# KiCad board GalaxySparkles.kicad_pcb (continued)
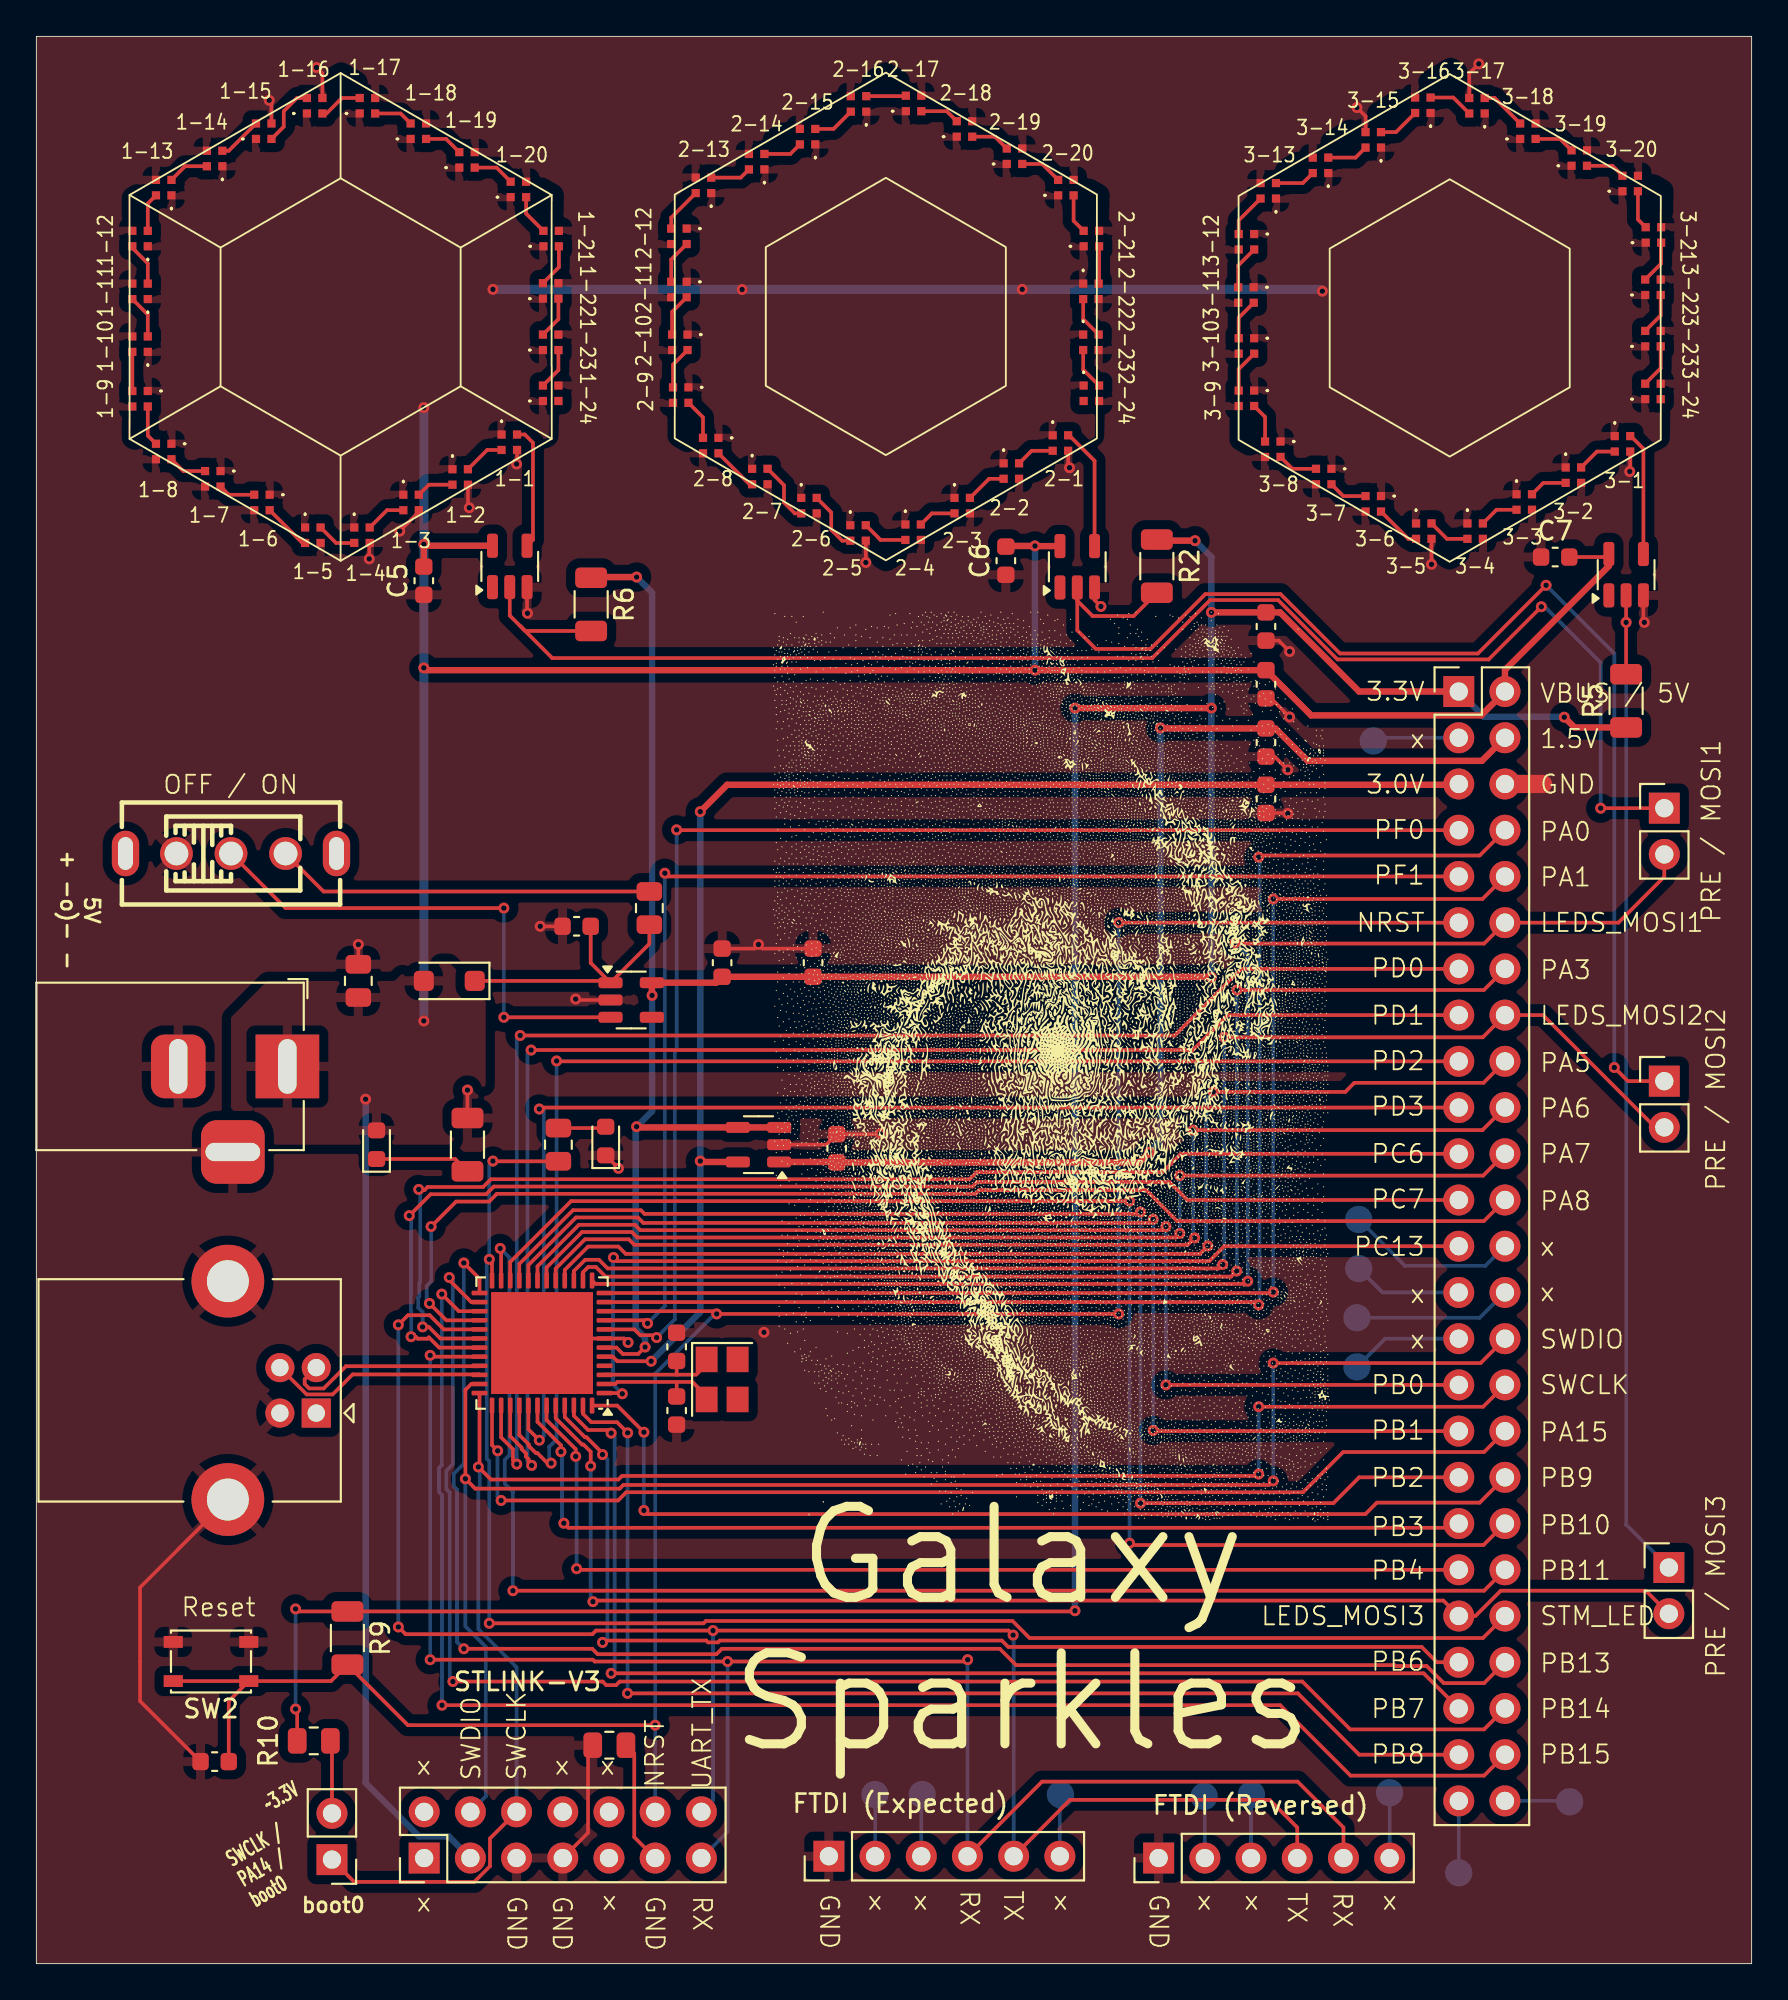
[diagram p0: board, top side]
## Nets
+1V5: C4.2 C15.2 J3.4 U6.1
+3.3V: C2.2 C9.2 C10.2 J3.1 R2.1 R5.1 R6.1 R9.1 R10.2 U1.6 U4.5 U6.3 U6.4
+3V0: C1.2 J3.5 U1.5 U6.5
GND: C1.1 C2.1 C3.2 C4.1 C5.1 C6.1 C7.1 C8.1 C9.1 C10.1 C12.1 C13.1 C14.2 C15.1 D5.1 J1.2 J1.3 J2.5 J2.7 J3.6 J4.4 J4.5 J5.1 J6.1 LED1-1.3 LED1-2.3 LED1-3.3 LED1-4.3 LED1-5.3 LED1-6.3 LED1-7.3 LED1-8.3 LED1-9.3 LED1-10.3 LED1-11.3 LED1-12.3 LED1-13.3 LED1-14.3 LED1-15.3 LED1-16.3 LED1-17.3 LED1-18.3 LED1-19.3 LED1-20.3 LED1-21.3 LED1-22.3 LED1-23.3 LED1-24.3 LED2-1.3 LED2-2.3 LED2-3.3 LED2-4.3 LED2-5.3 LED2-6.3 LED2-7.3 LED2-8.3 LED2-9.3 LED2-10.3 LED2-11.3 LED2-12.3 LED2-13.3 LED2-14.3 LED2-15.3 LED2-16.3 LED2-17.3 LED2-18.3 LED2-19.3 LED2-20.3 LED2-21.3 LED2-22.3 LED2-23.3 LED2-24.3 LED3-1.3 LED3-2.3 LED3-3.3 LED3-4.3 LED3-5.3 LED3-6.3 LED3-7.3 LED3-8.3 LED3-9.3 LED3-10.3 LED3-11.3 LED3-12.3 LED3-13.3 LED3-14.3 LED3-15.3 LED3-16.3 LED3-17.3 LED3-18.3 LED3-19.3 LED3-20.3 LED3-21.3 LED3-22.3 LED3-23.3 LED3-24.3 R1.2 R3.1 R8.2 SW1.1 SW2.2 U1.7 U1.49 U2.3 U3.3 U4.2 U5.3 U6.2
VBAT: U1.4
VBUS: C3.1 C5.2 C6.2 C7.2 D1.2 D3.2 J1.1 J2.3 J3.2 LED1-1.1 LED1-2.1 LED1-3.1 LED1-4.1 LED1-5.1 LED1-6.1 LED1-7.1 LED1-8.1 LED1-9.1 LED1-10.1 LED1-11.1 LED1-12.1 LED1-13.1 LED1-14.1 LED1-15.1 LED1-16.1 LED1-17.1 LED1-18.1 LED1-19.1 LED1-20.1 LED1-21.1 LED1-22.1 LED1-23.1 LED1-24.1 LED2-1.1 LED2-2.1 LED2-3.1 LED2-4.1 LED2-5.1 LED2-6.1 LED2-7.1 LED2-8.1 LED2-9.1 LED2-10.1 LED2-11.1 LED2-12.1 LED2-13.1 LED2-14.1 LED2-15.1 LED2-16.1 LED2-17.1 LED2-18.1 LED2-19.1 LED2-20.1 LED2-21.1 LED2-22.1 LED2-23.1 LED2-24.1 LED3-1.1 LED3-2.1 LED3-3.1 LED3-4.1 LED3-5.1 LED3-6.1 LED3-7.1 LED3-8.1 LED3-9.1 LED3-10.1 LED3-11.1 LED3-12.1 LED3-13.1 LED3-14.1 LED3-15.1 LED3-16.1 LED3-17.1 LED3-18.1 LED3-19.1 LED3-20.1 LED3-21.1 LED3-22.1 LED3-23.1 LED3-24.1 R3.2 U2.5 U3.5 U5.5
/LEDS_MOSI1: J7.1 R6.2 U2.2
/LEDS_MOSI2: J8.1 R2.2 U3.2
/LEDS_MOSI3: J9.1 R5.2 U5.2
/NRST: C14.1 J2.12 J3.11 R9.2 SW2.1 U1.10
/PA0: J3.8 U1.11
/PA1: J3.10 U1.12
/PA3: J3.14 U1.14
/PA5: J3.18 U1.16
/PA6: J3.20 U1.17
/PA7: J3.22 U1.18
/PA8: J3.24 U1.28
/PA15: J3.34 U1.37
/PB0: J3.31 U1.19
/PB1: J3.33 U1.20
/PB2: J3.35 U1.21
/PB3: J3.37 U1.42
/PB4: J3.39 U1.43
/PB6: J3.43 U1.45
/PB7: J3.45 U1.46
/PB8: J3.47 U1.47
/PB9: J3.36 U1.48
/PB10: J3.38 U1.22
/PB11: J3.40 U1.23
/PB13: J3.44 U1.25
/PB14: J3.46 U1.26
/PB15: J3.48 U1.27
/PC6: J3.21 U1.30
/PC7: J3.23 U1.31
/PC13: J3.25 U1.1
/PD0: J3.13 U1.38
/PD1: J3.15 U1.39
/PD2: J3.17 U1.40
/PD3: J3.19 U1.41
/PF0: J3.7 U1.8
/PF1: J3.9 U1.9
/PRE_LEDS_MOSI1: J3.12 J7.2 U1.13
/PRE_LEDS_MOSI2: J3.16 J8.2 U1.15
/PRE_LEDS_MOSI3: J3.41 J9.2 U1.44
/STM_LED: J3.42 R7.2 U1.24
/STM_OSC_IN: C13.2 U1.2 Y2.2
/STM_OSC_OUT: C12.2 U1.3 Y2.1
/STM_USART1_RX: J2.13 J5.4 J6.5 U1.32
/STM_USART1_TX: J2.14 J5.5 J6.4 U1.29
/STM_USB_N: J4.2 U1.33
/STM_USB_P: J4.3 U1.34
/SWCLK: J2.6 J3.32 J10.1 U1.36
/SWDIO: J2.4 J3.30 U1.35
Net-(D1-K): D1.1 R1.1
Net-(D3-K): C8.2 D3.1 R4.2 U4.1
Net-(D5-A): D5.2 R7.1
Net-(J2-Pin_11): J2.11 R8.1
Net-(J3-Pin_3): J3.3 TP3.1
Net-(J3-Pin_26): J3.26 TP4.1
Net-(J3-Pin_27): J3.27 TP2.1
Net-(J3-Pin_28): J3.28 TP5.1
Net-(J3-Pin_29): J3.29 TP1.1
Net-(J3-Pin_49): J3.49 TP7.1
Net-(J3-Pin_50): J3.50 TP6.1
Net-(J5-Pin_2): J5.2 TP13.1
Net-(J5-Pin_3): J5.3 TP12.1
Net-(J5-Pin_6): J5.6 TP11.1
Net-(J6-Pin_2): J6.2 TP10.1
Net-(J6-Pin_3): J6.3 TP9.1
Net-(J6-Pin_6): J6.6 TP8.1
Net-(J10-Pin_2): J10.2 R10.1
Net-(LED1-1-DIN): LED1-1.2 U2.4
Net-(LED1-1-DOUT): LED1-1.4 LED1-2.2
Net-(LED1-2-DOUT): LED1-2.4 LED1-3.2
Net-(LED1-3-DOUT): LED1-3.4 LED1-4.2
Net-(LED1-4-DOUT): LED1-4.4 LED1-5.2
Net-(LED1-5-DOUT): LED1-5.4 LED1-6.2
Net-(LED1-6-DOUT): LED1-6.4 LED1-7.2
Net-(LED1-7-DOUT): LED1-7.4 LED1-8.2
Net-(LED1-8-DOUT): LED1-8.4 LED1-9.2
Net-(LED1-10-DIN): LED1-9.4 LED1-10.2
Net-(LED1-10-DOUT): LED1-10.4 LED1-11.2
Net-(LED1-11-DOUT): LED1-11.4 LED1-12.2
Net-(LED1-12-DOUT): LED1-12.4 LED1-13.2
Net-(LED1-13-DOUT): LED1-13.4 LED1-14.2
Net-(LED1-14-DOUT): LED1-14.4 LED1-15.2
Net-(LED1-15-DOUT): LED1-15.4 LED1-16.2
Net-(LED1-16-DOUT): LED1-16.4 LED1-17.2
Net-(LED1-17-DOUT): LED1-17.4 LED1-18.2
Net-(LED1-18-DOUT): LED1-18.4 LED1-19.2
Net-(LED1-19-DOUT): LED1-19.4 LED1-20.2
Net-(LED1-20-DOUT): LED1-20.4 LED1-21.2
Net-(LED1-21-DOUT): LED1-21.4 LED1-22.2
Net-(LED1-22-DOUT): LED1-22.4 LED1-23.2
Net-(LED1-23-DOUT): LED1-23.4 LED1-24.2
Net-(LED2-1-DIN): LED2-1.2 U3.4
Net-(LED2-1-DOUT): LED2-1.4 LED2-2.2
Net-(LED2-2-DOUT): LED2-2.4 LED2-3.2
Net-(LED2-3-DOUT): LED2-3.4 LED2-4.2
Net-(LED2-4-DOUT): LED2-4.4 LED2-5.2
Net-(LED2-5-DOUT): LED2-5.4 LED2-6.2
Net-(LED2-6-DOUT): LED2-6.4 LED2-7.2
Net-(LED2-7-DOUT): LED2-7.4 LED2-8.2
Net-(LED2-8-DOUT): LED2-8.4 LED2-9.2
Net-(LED2-10-DIN): LED2-9.4 LED2-10.2
Net-(LED2-10-DOUT): LED2-10.4 LED2-11.2
Net-(LED2-11-DOUT): LED2-11.4 LED2-12.2
Net-(LED2-12-DOUT): LED2-12.4 LED2-13.2
Net-(LED2-13-DOUT): LED2-13.4 LED2-14.2
Net-(LED2-14-DOUT): LED2-14.4 LED2-15.2
Net-(LED2-15-DOUT): LED2-15.4 LED2-16.2
Net-(LED2-16-DOUT): LED2-16.4 LED2-17.2
Net-(LED2-17-DOUT): LED2-17.4 LED2-18.2
Net-(LED2-18-DOUT): LED2-18.4 LED2-19.2
Net-(LED2-19-DOUT): LED2-19.4 LED2-20.2
Net-(LED2-20-DOUT): LED2-20.4 LED2-21.2
Net-(LED2-21-DOUT): LED2-21.4 LED2-22.2
Net-(LED2-22-DOUT): LED2-22.4 LED2-23.2
Net-(LED2-23-DOUT): LED2-23.4 LED2-24.2
Net-(LED3-1-DIN): LED3-1.2 U5.4
Net-(LED3-1-DOUT): LED3-1.4 LED3-2.2
Net-(LED3-2-DOUT): LED3-2.4 LED3-3.2
Net-(LED3-3-DOUT): LED3-3.4 LED3-4.2
Net-(LED3-4-DOUT): LED3-4.4 LED3-5.2
Net-(LED3-5-DOUT): LED3-5.4 LED3-6.2
Net-(LED3-6-DOUT): LED3-6.4 LED3-7.2
Net-(LED3-7-DOUT): LED3-7.4 LED3-8.2
Net-(LED3-8-DOUT): LED3-8.4 LED3-9.2
Net-(LED3-10-DIN): LED3-9.4 LED3-10.2
Net-(LED3-10-DOUT): LED3-10.4 LED3-11.2
Net-(LED3-11-DOUT): LED3-11.4 LED3-12.2
Net-(LED3-12-DOUT): LED3-12.4 LED3-13.2
Net-(LED3-13-DOUT): LED3-13.4 LED3-14.2
Net-(LED3-14-DOUT): LED3-14.4 LED3-15.2
Net-(LED3-15-DOUT): LED3-15.4 LED3-16.2
Net-(LED3-16-DOUT): LED3-16.4 LED3-17.2
Net-(LED3-17-DOUT): LED3-17.4 LED3-18.2
Net-(LED3-18-DOUT): LED3-18.4 LED3-19.2
Net-(LED3-19-DOUT): LED3-19.4 LED3-20.2
Net-(LED3-20-DOUT): LED3-20.4 LED3-21.2
Net-(LED3-21-DOUT): LED3-21.4 LED3-22.2
Net-(LED3-22-DOUT): LED3-22.4 LED3-23.2
Net-(LED3-23-DOUT): LED3-23.4 LED3-24.2
Net-(SW1-B): SW1.2 U4.3
Net-(SW1-C): R4.1 SW1.3

Pads without a net: J2 1 2 8 9 10; J4 1; LED1-24 4; LED2-24 4; LED3-24 4; SW1 4 5; U2 1; U3 1; U4 4; U5 1; Y2 3 4

## Via types
v1: diameter 0.6, hole 0.3, Front to Back, 153 vias

## Routing (per net, layer and track width the routed paths; a pad name or vN(x,y) marks a point on that pad's centre or on a via; arc(x,y) is an arc through that point)
+1V5: length 64.4
  Front w0.35: v1(61.8,67.9) 61.82,67.88 C4.2 68.12,67.88 69.9,66.09 79.47,66.09 J3.4 ; U6.1 43.97,44.05 C15.2 60.63,44.03 v1(61.2,44.59)
  Back w0.35: v1(61.2,44.59) 61.8,45.19 v1(61.8,67.9)
+3.3V: length 247
  Front w0.2: v1(14.25,13.99) 14.34,13.9 R10.2 ; U1.6 31.89,33.85 32.24,33.5 33.08,33.5 v1(33.47,33.88) ; v1(57.1,19.39) 57.06,19.35 R9.1 14.39,19.35 v1(14.25,19.49)
  Front w0.35: J3.1 72.72,69.9 68.38,74.25 C2.2 v1(64.6,74.25) ; R5.1 84.56,67.93 v1(84,68.49) ; U6.3 U6.4 33.04,45.95 v1(33,45.99) ; R6.1 30.54,76.19 v1(33,76.19) ; v1(63.7,78.19) 61.66,78.19 R2.1 ; v1(64.6,54.2) 64.57,54.23 C10.2 C9.2 37.38,53.9 U4.5 33.84,53.21 v1(33.85,53.2) ; v1(64.6,68.99) v1(57.1,68.99)
  Back w0.2: v1(14.25,13.99) v1(14.25,19.49)
  Back w0.35: v1(84,68.49) 83.98,68.51 79.59,68.51 J3.1 ; v1(64.6,54.2) v1(64.6,68.99) v1(64.6,74.25) 64.6,77.29 v1(63.7,78.19) ; v1(33,76.19) 33.85,75.34 v1(33.85,53.2) 33.85,46.84 v1(33,45.99) 32.95,45.94 32.95,34.91 33.47,34.39 v1(33.47,33.88) ; v1(57.1,68.99) v1(57.1,19.39)
+3V0: length 78.4
  Front w0.2: v1(33.8,33.1) 31.94,33.1 31.69,33.35 U1.5
  Front w0.35: J3.5 78.16,64.78 37.97,64.78 v1(36.5,63.3) ; v1(36.5,44.1) 36.55,44.05 U6.5
  Back w0.35: v1(36.5,63.3) v1(36.5,44.1) 36.5,35.8 v1(33.8,33.1)
GND: length 77.7
  Front w0.2: v1(26.4,82.4) 26.43,82.43 LED1-1.3 ; U3.3 58.18,74.92 v1(58.53,74.58) ; C2.1 68.3,72.7 v1(68.9,72.1) ; v1(32.53,34.13) 32.31,34.35 U1.7 28.05,34.35 U1.49 ; v1(29.65,53) 29.7,52.95 U4.2 ; U5.3 88.35,73.75 v1(88.4,73.7) ; LED2-5.3 v1(45.6,76.99) ; LED1-15.3 12.93,102.27 v1(12.8,102.39) ; D5.1 32,43.71 v1(32,43.7) ; v1(23.8,80) 23.72,80.08 23.72,81.27 ; v1(68.8,63.2) 68.78,63.23 C1.1 ; v1(87.6,81.99) 87.62,82.02 LED3-1.3 ; LED1-3.3 21.03,79.77 v1(19.97,78.72) ; v1(15.4,104.19) 15.72,103.87 15.72,102.52 ; 18.32,78.07 18.3,78.04 v1(18.3,77.19) ; v1(79.3,104.39) 78.78,103.87 78.78,102.52 ; v1(27,74.2) 26.98,74.22 U2.3 ; 42.7,55.78 39.93,55.78 v1(39.7,56) 39.47,55.78 37.7,55.78 ; 56.72,83.13 56.72,82.28 v1(56.8,82.2) ; C14.2 5.7,14.43 5.7,20.67 J4.5 ; C8.1 v1(27.7,57) ; U6.2 43.43,45 44,45.58 46.38,45.58 v1(46.4,45.6) ; LED3-5.3 v1(76.7,76.89) ; C3.2 67.88,69.53 v1(68.9,68.5) ; v1(68.8,65.6) 68.07,66.33 C4.1 ; LED3-15.3 73.07,101.52 v1(72.6,101.99) ; R8.2 30.33,11.74 30.33,7.19 J2.7 ; R3.1 v1(17.7,56) ; R1.2 v1(23.7,48)
  Front w1: J3.6 82.83,64.82
  Back w1: J3.6 82.83,64.82
  vias: v1(40,34.69)
VBUS: length 212.5
  Front w0.2: U5.5 86.28,77.29 C7.2
  Front w0.35: U3.5 54.91,77.89 v1(54.9,77.9) 53.34,77.9 C6.2 ; v1(21.3,71.2) 21.43,71.08 67.6,71.08 70.09,68.59 79.43,68.59 J3.2 80.74,71.09 86.45,76.8 U5.5 ; C5.2 v1(21.3,77.99) 21.38,77.91 U2.5
  Back w0.35: 38.81,92 v1(38.8,91.99) 38.79,92 ; v1(18.1,47.5) 18.1,9.93 21.04,6.99 22.67,6.99 J2.3 ; v1(54.9,77.9) v1(54.9,71.08) ; v1(70.7,91.9) 70.6,92
  Back w0.5: v1(25.1,92) 38.79,92 ; 70.6,92 v1(54.2,92) 38.81,92 ; v1(21.3,51.8) v1(21.3,71.2) v1(21.3,77.99) v1(21.3,85.5)
/LEDS_MOSI1: length 83.2
  Front w0.2: 26.6,73.5 26.03,74.07 U2.2 ; 26.6,73.5 26.87,73.23 R6.2 ; 26.6,73.5 28.36,71.74 61.34,71.74 64.53,74.93 68.27,74.93 71.53,71.66 79.84,71.66 v1(82.74,74.56) ; J7.1 v1(86,63.49)
  Back w0.2: v1(82.74,74.56) 82.93,74.56 86,71.49 v1(86,63.49)
/LEDS_MOSI2: length 69.8
  Front w0.2: v1(83,75.74) 79.25,71.99 71.67,71.99 68.4,75.25 64.26,75.25 61.25,72.24 58.25,72.24 57.23,73.26 U3.2 57.23,74.89 58.07,74.05 60.32,74.05 R2.2 ; J8.1 87.5,48.49 v1(86.75,49.24)
  Back w0.2: v1(86.75,49.24) 86.75,71.99 v1(83,75.74)
/LEDS_MOSI3: length 57.2
  Front w0.2: R5.2 v1(87.4,73.7) U5.2
  Back w0.2: J9.1 87.4,24.12 v1(87.4,73.7)
/NRST: length 130.5
  Front w0.2: C14.1 10.57,14.43 11.68,15.53 ; 11.68,15.53 16.2,15.53 R9.2 20.43,13.1 v1(34.02,13.1) ; 11.68,15.53 SW2.1 ; U1.10 37.25,35.85 v1(37.4,35.7) v1(59.5,35.7) ; v1(59.5,57.2) J3.11
  Back w0.2: v1(59.5,35.7) v1(59.5,57.2) ; v1(37.4,35.7) 37.3,35.7 34.02,32.42 v1(34.02,13.1) J2.12
/PA0: length 74.8
  Front w0.2: U1.11 67.05,36.35 v1(67.2,36.2) ; v1(67.2,60.8) 67.29,60.89 79.35,60.89 J3.8
  Back w0.2: v1(67.2,60.8) 67.25,60.75 67.25,36.25 v1(67.2,36.2)
/PA1: length 71.6
  Front w0.2: v1(68,58.5) 79.5,58.5 J3.10 ; U1.12 67.95,36.85 v1(68,36.9)
  Back w0.2: v1(68,36.9) v1(68,58.5)
/PA3: length 67.5
  Front w0.2: J3.14 79.58,53.5 v1(66,53.5) ; v1(65.99,38.06) 65.68,37.75 31.29,37.75 30.76,38.28 30.34,38.28 30.05,37.99 U1.14
  Back w0.2: v1(65.99,38.06) 66,38.07 v1(66,53.5)
/PA5: length 62.2
  Front w0.2: v1(64.7,47.9) 71.96,47.9 72.46,48.4 79.56,48.4 J3.18 ; v1(64.4,39.44) 63.97,39 32.4,39 32,39.4 30.33,39.4 29.05,38.12 U1.16
  Back w0.2: v1(64.4,39.44) 64.3,39.54 64.3,47.5 v1(64.7,47.9)
/PA6: length 60.3
  Front w0.2: v1(63.68,39.88) 63.3,39.5 32.87,39.5 32.57,39.8 30.16,39.8 28.55,38.19 U1.17 ; v1(63.6,45.8) 79.5,45.8 J3.20
  Back w0.2: v1(63.68,39.88) 63.6,39.95 v1(63.6,45.8)
/PA7: length 58.1
  Front w0.2: v1(62.86,43.3) 79.54,43.3 J3.22 ; U1.18 28.05,38.25 30,40.2 32.74,40.2 33.04,39.9 62.64,39.9 v1(62.86,40.13)
  Back w0.2: v1(62.86,40.13) v1(62.86,43.3)
/PA8: length 68.6
  Front w0.2: J3.24 79.58,40.8 62.72,40.8 61.02,42.5 51.83,42.5 51.63,42.3 25.32,42.3 24.89,41.88 23.07,41.88 v1(21.7,40.5) ; v1(21.61,36.28) 22.54,35.35 U1.28
  Back w0.2: v1(21.7,40.5) 21.7,37.48 21.46,37.24 21.46,36.43 v1(21.61,36.28)
/PA15: length 62.2
  Front w0.2: v1(25.36,28.18) 25.05,28.49 U1.37 ; J3.34 79.59,28.11 71.84,28.11 69.63,25.9 32.43,25.9 31.98,25.45 v1(25.55,25.45)
  Back w0.2: v1(25.36,28.18) 25.35,28.17 25.35,25.65 v1(25.55,25.45)
/PB0: length 61.3
  Front w0.2: v1(62.1,31.8) J3.31 ; v1(62.1,40.5) 61.9,40.3 33.2,40.3 32.9,40.6 29.83,40.6 27.55,38.32 U1.19
  Back w0.2: v1(62.1,40.5) v1(62.1,31.8)
/PB1: length 64.9
  Front w0.2: v1(61.4,40.9) 61.2,40.7 33.37,40.7 33.07,41 29.67,41 27.05,38.38 U1.20 ; v1(61.4,29.3) 61.44,29.26 J3.33
  Back w0.2: v1(61.4,40.9) v1(61.4,29.3)
/PB2: length 70.5
  Front w0.2: v1(60.7,41.3) 60.6,41.2 33.43,41.2 33.23,41.4 29.5,41.4 26.55,38.45 U1.21 ; v1(60.7,25.3) 71.31,25.3 72.72,26.72 J3.35
  Back w0.2: v1(60.7,41.3) v1(60.7,25.3)
/PB3: length 56.5
  Front w0.2: v1(29,24.2) 29.25,23.95 77.97,23.95 J3.37 ; U1.42 27.55,29.77 28.84,28.48 v1(28.84,28.13)
  Back w0.2: v1(28.84,28.13) 28.9,28.07 28.9,24.3 v1(29,24.2)
/PB4: length 58.2
  Front w0.2: J3.39 29.76,21.64 v1(29.7,21.7) ; U1.43 28.05,29.87 29.65,28.27 v1(29.65,27.87)
  Back w0.2: v1(29.7,21.7) 29.7,27.82 v1(29.65,27.87)
/PB6: length 61.8
  Front w0.2: v1(31.13,17.65) 31.23,17.75 36.83,17.75 36.93,17.65 37.47,17.65 37.57,17.75 53.08,17.75 53.43,17.4 76.16,17.4 77,16.56 J3.43 ; v1(31.12,27.97) 31.12,28.04 30.25,28.92 30.16,28.92 29.05,30.03 U1.45
  Back w0.2: v1(31.13,17.65) 31.39,17.92 31.39,27.7 v1(31.12,27.97)
/PB7: length 63.8
  Front w0.2: J3.45 76.27,15.95 v1(31.6,15.95) ; v1(31.6,29.15) 31.43,29.32 30.33,29.32 29.55,30.1 U1.46
  Back w0.2: v1(31.6,29.15) 31.79,28.96 31.79,16.14 v1(31.6,15.95)
/PB8: length 64.8
  Front w0.2: v1(32.51,29.17) 31.92,29.75 30.51,29.75 30.05,30.21 U1.47 ; J3.47 72.72,11.48 69.35,14.85 v1(32.5,14.85)
  Back w0.2: v1(32.5,14.85) 32.5,29.16 v1(32.51,29.17)
/PB9: length 56
  Front w0.2: U1.48 31.94,30.66 v1(33.4,29.2) ; J3.36 79.35,25.33 73.7,25.33 73.07,24.7 33.6,24.7 v1(33.4,24.9)
  Back w0.2: v1(33.4,29.2) v1(33.4,24.9)
/PB10: length 76.4
  Front w0.2: v1(60.1,41.9) 29.4,41.9 26.05,38.55 U1.22 ; v1(60.1,23.1) 60.2,23 79.56,23 J3.38
  Back w0.2: v1(60.1,41.9) v1(60.1,23.1)
/PB11: length 76.1
  Front w0.2: U1.23 25.55,39.25 v1(25.5,39.3) ; v1(26.2,20.49) 79.59,20.49 J3.40
  Back w0.2: v1(25.5,39.3) 26.01,38.79 26.01,27.94 25.75,27.68 25.75,26.37 26.2,25.92 v1(26.2,20.49)
/PB13: length 82.4
  Front w0.2: v1(23.5,38.5) 24.36,37.64 U1.25 ; J3.44 79.59,15.41 77.38,15.41 76.43,16.35 74.71,16.35 74.67,16.4 53.87,16.4 52.97,17.3 37.68,17.3 37.38,17 30.86,17 30.56,17.3 v1(23.5,17.3)
  Back w0.2: v1(23.5,17.3) 23.13,17.67 23.13,26.05 22.95,26.23 22.95,26.92 23.5,27.47 v1(23.5,38.5)
/PB14: length 84.5
  Front w0.2: v1(22.9,15.5) 31.13,15.5 31.33,15.3 31.87,15.3 32.07,15.5 69.6,15.5 72.23,12.87 79.59,12.87 J3.46 ; v1(22.7,37.7) 22.7,37.56 23.91,36.35 U1.26
  Back w0.2: v1(22.9,15.5) 22.73,15.67 22.73,25.89 22.54,26.08 22.54,27.08 22.9,27.44 22.9,37.5 v1(22.7,37.7)
/PB15: length 85.7
  Front w0.2: v1(22.29,36.79) 23.23,35.85 U1.27 ; v1(22.3,14.2) 68.38,14.2 72.25,10.33 79.59,10.33 J3.48
  Back w0.2: v1(22.3,14.2) 22.3,25.75 22.14,25.91 22.14,27.24 22.29,27.39 v1(22.29,36.79)
/PC6: length 69.1
  Front w0.2: U1.30 22.21,34.35 21.57,34.99 v1(21.23,34.99) ; J3.21 62.92,44.5 61.91,43.49 51.69,43.49 51.3,43.1 24.98,43.1 24.56,42.68 21.51,42.68 21.34,42.5 21.06,42.5 v1(21.02,42.54)
  Back w0.2: v1(21.23,34.99) 21.23,35.81 20.99,36.05 20.99,36.59 21.06,36.66 21.06,37.4 21.1,37.45 21.1,42.46 v1(21.02,42.54)
/PC7: length 69.6
  Front w0.2: U1.31 22.14,33.85 21.58,34.41 21.5,34.34 20.97,34.34 20.85,34.45 v1(20.6,34.45) ; v1(20.5,41.1) 21.68,42.28 24.73,42.28 25.15,42.7 51.47,42.7 51.72,42.95 62.29,42.95 63.28,41.96 J3.23
  Back w0.2: v1(20.6,34.45) 20.6,35.88 20.59,35.89 20.59,36.75 20.6,36.76 20.6,41 v1(20.5,41.1)
/PC13: length 55.6
  Front w0.2: v1(31.73,38.8) 31.93,38.6 64.49,38.6 65.31,39.42 J3.25 ; v1(32.21,31.31) 32.17,31.35 U1.1
  Back w0.2: v1(31.73,38.8) 31.7,38.77 31.7,31.82 v1(32.21,31.31)
/PD0: length 80.3
  Front w0.2: v1(26.6,51) 62.58,51 66.24,54.66 J3.13 ; U1.38 25.55,28.92 26.2,28.27 26.2,27.66 v1(26.41,27.45)
  Back w0.2: v1(26.41,27.45) 26.41,50.81 v1(26.6,51)
/PD1: length 78.6
  Front w0.2: v1(27.2,50.2) 63.58,50.2 65.5,52.12 J3.15 ; U1.39 26.05,28.98 26.68,28.36 26.68,28.27 26.92,28.03 26.92,27.86 27.06,27.72 27.06,27.55 v1(27.23,27.38)
  Back w0.2: v1(27.23,27.38) 27,27.61 27,50 v1(27.2,50.2)
/PD2: length 76
  Front w0.2: U1.40 26.55,29.05 27.08,28.52 27.08,28.44 27.46,28.06 27.54,28.06 28.1,27.5 v1(28.3,27.5) ; J3.17 28.62,49.58 v1(28.6,49.6)
  Back w0.2: v1(28.3,27.5) 28.19,27.61 28.19,28.4 28.6,28.81 v1(28.6,49.6)
/PD3: length 71.3
  Front w0.2: v1(27.65,28.76) 27.05,29.36 U1.41 ; v1(27.65,46.96) 27.73,47.04 J3.19
  Back w0.2: v1(27.65,28.76) 27.9,29.01 27.9,46.9 27.84,46.96 v1(27.65,46.96)
/PF0: length 74.4
  Front w0.2: J3.7 35.22,62.28 v1(35.2,62.3) ; U1.8 32.88,34.85 33.2,34.53 33.97,34.53 v1(34.1,34.4)
  Back w0.2: v1(35.2,62.3) 35.2,50.2 35.1,50.1 35.1,35.4 v1(34.1,34.4)
/PF1: length 71.3
  Front w0.2: v1(34.55,59.92) 34.73,59.74 J3.9 ; U1.9 33.43,35.35 v1(33.6,35.18)
  Back w0.2: v1(33.6,35.18) 34.55,36.13 v1(34.55,59.92)
/PRE_LEDS_MOSI1: length 81.4
  Front w0.2: v1(65.9,56.1) 65.95,56.05 79.59,56.05 J3.12 86.97,57.2 89.5,59.73 J7.2 ; U1.13 30.74,37.35 66.45,37.35 v1(66.6,37.5)
  Back w0.2: v1(65.9,56.1) 66.6,55.4 v1(66.6,37.5)
/PRE_LEDS_MOSI2: length 76
  Front w0.2: v1(65.22,38.42) 65,38.2 31.41,38.2 30.93,38.68 30.17,38.68 29.55,38.06 U1.15 ; v1(65.3,50.9) 79.52,50.9 J3.16 82.83,52.12 89,45.95
  Back w0.2: v1(65.22,38.42) 65.3,38.5 v1(65.3,50.9)
/PRE_LEDS_MOSI3: length 72.3
  Front w0.2: v1(30.6,19.89) 30.66,19.95 77.35,19.95 J3.41 79.11,19.1 80.5,20.49 88.49,20.49 J9.2 ; v1(30.47,27.34) 30.47,28.13 30.08,28.52 30,28.52 28.55,29.97 U1.44
  Back w0.2: v1(30.47,27.34) 30.47,20.02 v1(30.6,19.89)
/STM_LED: length 87.2
  Front w0.2: v1(24.9,18.7) 36.68,18.7 36.81,18.83 53.67,18.83 54.61,17.89 79.53,17.89 J3.42 ; v1(25.1,44.1) 25.11,44.09 R7.2 ; v1(24.9,38.7) 25.05,38.55 U1.24
  Back w0.2: v1(25.1,44.1) 24.9,43.9 v1(24.9,38.7) 24.76,38.56 24.76,27.75 24.9,27.61 v1(24.9,18.7)
/STM_OSC_IN: length 7
  Front w0.2: 35.2,31.96 31.94,31.96 31.83,31.85 U1.2 ; 35.2,31.96 36.06,31.96 36.85,31.18 Y2.2 ; 35.2,31.96 C13.2
/STM_OSC_OUT: length 6.9
  Front w0.2: Y2.1 36.85,32.94 36.27,32.36 35.2,32.36 ; U1.3 31.25,32.36 35.2,32.36 ; C12.2 35.2,32.36
/STM_USART1_RX: length 96.4
  Front w0.2: v1(51.2,16.7) 51.1,16.6 v1(38,16.6) 30.69,16.6 30.59,16.7 v1(21.65,16.7) ; J5.4 55.29,10 69.34,10 71.86,7.48 J6.5 ; U1.32 21.72,33.35 v1(21.65,33.43)
  Back w0.2: v1(51.2,16.7) 51.19,16.69 J5.4 ; J2.13 38,7.24 v1(38,16.6) ; v1(21.65,33.43) v1(21.65,16.7)
/STM_USART1_TX: length 97.3
  Front w0.2: J5.5 56.83,9 67.8,9 69.32,7.48 J6.4 ; U1.29 22.4,34.85 21.62,35.63 20.43,35.63 v1(19.9,35.1) ; v1(19.9,18.5) 20.3,18.1 30.57,18.1 30.77,18.3 v1(37.2,18.3) 53.45,18.3 v1(53.7,18.05)
  Back w0.2: v1(19.9,35.1) v1(19.9,18.5) ; v1(53.7,18.05) 53.73,18.02 J5.5 ; J2.14 37.2,8.98 v1(37.2,18.3)
/STM_USB_N: length 11.4
  Front w0.2: U1.33 24.34,32.83 17.02,32.83 15.8,31.6 15,31.6 14.75,31.85 14.75,32.11 J4.2
/STM_USB_P: length 12.1
  Front w0.2: J4.3 14.86,31.28 16.29,31.28 17.38,32.38 24.34,32.38 U1.34
/SWCLK: length 98.2
  Front w0.2: v1(67.2,30.6) 79.54,30.6 J3.32 ; U1.36 24.36,27.35 v1(24.3,27.29) 24.99,26.6 32,26.6 32.2,26.8 67.1,26.8 v1(67.2,26.9) ; J10.1 17.47,4.49 24.07,4.49 24.94,5.35 24.94,6.88 J2.6
  Back w0.2: v1(24.3,27.29) 24.38,27.21 24.38,26.23 24.3,26.15 24.3,18.38 26.4,16.28 J2.6 ; v1(67.2,26.9) v1(67.2,30.6)
/SWDIO: length 89.5
  Front w0.2: U1.35 23.91,31.85 23.59,31.52 v1(23.59,26.64) 24.13,26.1 32.07,26.1 32.27,26.3 67.78,26.3 v1(68,26.53) ; v1(68,33) 79.4,33 J3.30
  Back w0.2: v1(68,26.53) v1(68,33) ; J2.4 24.71,9.19 24.71,17.41 23.59,18.53 v1(23.59,26.64)
Net-(D1-K): length 5.3
  Front w0.2: D1.1 23.03,44.21 R1.1
Net-(D3-K): length 15.1
  Front w0.2: U4.1 31.46,54 D3.1 ; U4.1 30.47,54.99 C8.2 ; U4.1 33.7,56.04 R4.2
Net-(D5-A): length 2.6
  Front w0.2: D5.2 31.22,45.91 R7.1
Net-(J2-Pin_11): length 6.9
  Front w0.2: R8.1 32.87,11.54 32.87,6.95 J2.11
Net-(J3-Pin_3): length 4.8
  Back w0.2: J3.3 73.67,67.36 TP3.1
Net-(J3-Pin_26): length 9.5
  Back w0.2: J3.26 79.66,38.34 75.25,38.34 TP4.1
Net-(J3-Pin_27): length 6
  Back w0.2: J3.27 74.01,36.88 TP2.1
Net-(J3-Pin_28): length 8.7
  Back w0.2: J3.28 79.35,35.49 TP5.1
Net-(J3-Pin_29): length 6.2
  Back w0.2: TP1.1 74.15,34.34 J3.29
Net-(J3-Pin_49): length 3.9
  Back w0.2: J3.49 TP7.1
Net-(J3-Pin_50): length 3.6
  Back w0.2: TP6.1 84.25,8.94 J3.50
Net-(J5-Pin_2): length 3.4
  Back w0.2: TP13.1 46.11,9.28 J5.2
Net-(J5-Pin_3): length 3.4
  Back w0.2: TP12.1 48.65,9.24 J5.3
Net-(J5-Pin_6): length 3.4
  Back w0.2: J5.6 56.27,9.26 TP11.1
Net-(J6-Pin_2): length 3.4
  Back w0.2: J6.2 64.24,9.15 TP10.1
Net-(J6-Pin_3): length 3.5
  Back w0.2: TP9.1 66.78,9.27 J6.3
Net-(J6-Pin_6): length 3.6
  Back w0.2: J6.6 TP8.1
Net-(J10-Pin_2): length 4
  Front w0.2: J10.2 16.25,12.15 R10.1
Net-(LED1-1-DIN): length 6.9
  Front w0.2: U2.4 27.3,78.24 27.3,83.58 26.85,84.03 LED1-1.2
Net-(LED1-1-DOUT): length 2.3
  Front w0.2: 23.72,82.12 24.78,83.18 LED1-1.4
Net-(LED1-2-DOUT): length 2.1
  Front w0.2: LED1-3.2 21.57,81.27 LED1-2.4
Net-(LED1-3-DOUT): length 2.2
  Front w0.2: 18.32,78.92 19.28,79.87 20.18,79.87
Net-(LED1-4-DOUT): length 2.2
  Front w0.2: LED1-5.2 16.47,78.07 LED1-4.4
Net-(LED1-5-DOUT): length 2.7
  Front w0.2: 12.82,79.87 14.62,78.07 14.78,78.07
Net-(LED1-6-DOUT): length 2
  Front w0.2: LED1-6.4 10.57,80.72 LED1-7.2
Net-(LED1-7-DOUT): length 2.1
  Front w0.2: 9.28,82.02 8.07,82.02 LED1-8.2
Net-(LED1-8-DOUT): length 2.2
  Front w0.2: LED1-9.2 6.12,83.97 LED1-8.4
Net-(LED1-10-DIN): length 2.2
  Front w0.2: 5.28,86.42 5.28,88.57
Net-(LED1-10-DOUT): length 2.4
  Front w0.2: LED1-10.4 6.12,90.62 5.28,91.47
Net-(LED1-11-DOUT): length 2.4
  Front w0.2: 5.28,94.37 5.28,94.27 6.12,93.42 LED1-11.4
Net-(LED1-12-DOUT): length 2.1
  Front w0.2: LED1-12.4 6.12,96.72 LED1-13.2
Net-(LED1-13-DOUT): length 2.3
  Front w0.2: LED1-13.4 8.18,98.77 LED1-14.2
Net-(LED1-14-DOUT): length 2.5
  Front w0.2: LED1-15.2 10.57,99.62 10.22,99.62
Net-(LED1-15-DOUT): length 3.4
  Front w0.2: LED1-16.2 14.32,102.52 13.6,101.79 13.6,100.94 LED1-15.4
Net-(LED1-16-DOUT): length 2.4
  Front w0.2: 15.72,101.67 15.95,101.67 16.8,102.52 17.78,102.52
Net-(LED1-17-DOUT): length 2.2
  Front w0.2: LED1-18.2 20.03,101.67 LED1-17.4
Net-(LED1-18-DOUT): length 2.1
  Front w0.2: LED1-19.2 22.53,100.27 LED1-18.4
Net-(LED1-19-DOUT): length 2.3
  Front w0.2: LED1-19.4 25.3,98.69 LED1-20.2
Net-(LED1-20-DOUT): length 2.2
  Front w0.2: LED1-21.2 26.93,96.17 LED1-20.4
Net-(LED1-21-DOUT): length 2.4
  Front w0.2: 28.72,94.37 28.72,93.22 LED1-22.2
Net-(LED1-22-DOUT): length 2.3
  Front w0.2: LED1-23.2 28.7,90.37 LED1-22.4
Net-(LED1-23-DOUT): length 2.3
  Front w0.2: LED1-23.4 28.7,87.57 LED1-24.2
Net-(LED2-1-DIN): length 6.7
  Front w0.2: U3.4 58.18,82.58 56.78,83.98 56.72,83.98
Net-(LED2-1-DOUT): length 2.1
  Front w0.2: LED2-1.4 54.71,83.13 LED2-2.2
Net-(LED2-2-DOUT): length 2.3
  Front w0.2: 51.32,80.54 52.38,81.59 53.18,81.59
Net-(LED2-3-DOUT): length 2.1
  Front w0.2: LED2-3.4 49.24,79.69 LED2-4.2
Net-(LED2-4-DOUT): length 2.5
  Front w0.2: LED2-5.2 46.41,78.23 47.78,78.23
Net-(LED2-5-DOUT): length 3.4
  Front w0.2: LED2-5.4 44.3,78.19 43.7,78.79 43.7,79.74 LED2-6.2
Net-(LED2-6-DOUT): length 3.4
  Front w0.2: LED2-7.2 41.1,81.24 41.1,80.29 41.7,79.69 LED2-6.4
Net-(LED2-7-DOUT): length 2.6
  Front w0.2: LED2-7.4 39.2,81.29 LED2-8.2
Net-(LED2-8-DOUT): length 2.3
  Front w0.2: LED2-9.2 36.65,84.97 LED2-8.4
Net-(LED2-10-DIN): length 2.4
  Front w0.2: LED2-9.4 35,87.87 LED2-10.2
Net-(LED2-10-DOUT): length 2.4
  Front w0.2: LED2-11.2 34.95,90.77 LED2-10.4
Net-(LED2-11-DOUT): length 2.4
  Front w0.2: LED2-12.2 34.9,93.64 LED2-11.4
Net-(LED2-12-DOUT): length 2.5
  Front w0.2: LED2-12.4 34.9,95.94 LED2-13.2
Net-(LED2-13-DOUT): length 2.3
  Front w0.2: 39.18,98.59 38.72,98.14 LED2-13.4
Net-(LED2-14-DOUT): length 2.2
  Front w0.2: LED2-14.4 41.45,99.44 LED2-15.2
Net-(LED2-15-DOUT): length 2.3
  Front w0.2: 42.82,100.82 43.82,100.82 44.78,101.77
Net-(LED2-16-DOUT): length 2.2
  Front w0.2: LED2-17.2 47.78,102.62 LED2-16.4
Net-(LED2-17-DOUT): length 2.2
  Front w0.2: LED2-18.2 50.05,101.79 LED2-17.4
Net-(LED2-18-DOUT): length 2.2
  Front w0.2: LED2-18.4 52.7,100.39 LED2-19.2
Net-(LED2-19-DOUT): length 2.3
  Front w0.2: LED2-19.4 55.3,98.89 56.18,98.02
Net-(LED2-20-DOUT): length 2.2
  Front w0.2: LED2-21.2 57.03,95.77 LED2-20.4
Net-(LED2-21-DOUT): length 2.1
  Front w0.2: LED2-21.4 58.43,92.34 LED2-22.2
Net-(LED2-22-DOUT): length 2.3
  Front w0.2: LED2-22.4 57.55,90.37 LED2-23.2
Net-(LED2-23-DOUT): length 2.3
  Front w0.2: LED2-24.2 57.55,87.59 LED2-23.4
Net-(LED3-1-DIN): length 6.8
  Front w0.2: LED3-1.2 87.66,83.94 88.35,83.24 U5.4
Net-(LED3-1-DOUT): length 2.2
  Front w0.2: LED3-2.2 85.8,83.09 86.78,83.09
Net-(LED3-2-DOUT): length 2.1
  Front w0.2: LED3-2.4 82.85,81.37 82.22,80.74
Net-(LED3-3-DOUT): length 2.2
  Front w0.2: LED3-3.4 80.28,79.89 LED3-4.2
Net-(LED3-4-DOUT): length 2.3
  Front w0.2: LED3-5.2 77.55,78.29 78.68,78.29
Net-(LED3-5-DOUT): length 2.5
  Front w0.2: LED3-5.4 75.43,78.29 LED3-6.2
Net-(LED3-6-DOUT): length 2.1
  Front w0.2: LED3-7.2 71.85,80.64 LED3-6.4
Net-(LED3-7-DOUT): length 2.2
  Front w0.2: LED3-8.2 69.05,82.14 LED3-7.4
Net-(LED3-8-DOUT): length 2.2
  Front w0.2: LED3-8.4 67.55,84.99 LED3-9.2
Net-(LED3-10-DIN): length 2.4
  Front w0.2: LED3-9.4 66.1,87.62 LED3-10.2
Net-(LED3-10-DOUT): length 2.3
  Front w0.2: LED3-10.4 66.1,90.44 LED3-11.2
Net-(LED3-11-DOUT): length 2.4
  Front w0.2: LED3-12.2 66.07,93.32 LED3-11.4
Net-(LED3-12-DOUT): length 2.4
  Front w0.2: LED3-13.2 66.1,95.79 LED3-12.4
Net-(LED3-13-DOUT): length 2.3
  Front w0.2: 70.18,98.39 69.62,97.84 LED3-13.4
Net-(LED3-14-DOUT): length 2.3
  Front w0.2: LED3-14.4 72.53,99.24 LED3-15.2
Net-(LED3-15-DOUT): length 2.3
  Front w0.2: LED3-15.4 74.75,100.64 LED3-16.2
Net-(LED3-16-DOUT): length 2.5
  Front w0.2: LED3-16.4 77.9,102.54 78.78,101.67
Net-(LED3-17-DOUT): length 2.5
  Front w0.2: LED3-17.4 80.18,102.52 LED3-18.2
Net-(LED3-18-DOUT): length 2.2
  Front w0.2: LED3-19.2 83.78,100.27 LED3-18.4
Net-(LED3-19-DOUT): length 2.2
  Front w0.2: LED3-19.4 86.65,98.79 LED3-20.2
Net-(LED3-20-DOUT): length 2.2
  Front w0.2: LED3-20.4 88.05,95.84 LED3-21.2
Net-(LED3-21-DOUT): length 2.4
  Front w0.2: LED3-22.2 89.32,93.42 89.32,94.57
Net-(LED3-22-DOUT): length 2.3
  Front w0.2: LED3-23.2 89.3,90.57 LED3-22.4
Net-(LED3-23-DOUT): length 2.4
  Front w0.2: LED3-24.2 89.3,87.67 LED3-23.4
Net-(SW1-B): length 28.1
  Front w0.2: v1(25.7,58) 13.7,58 SW1.2 ; U4.3 v1(25.7,52)
  Back w0.2: v1(25.7,52) v1(25.7,58)
Net-(SW1-C): length 20.9
  Front w0.2: SW1.3 15.79,58.91 R4.1

## Copper pours and planes (outline as drawn; the poured copper is in the pictures)
GND on Front: -0.5,106.49 94.5,106.49 94.5,-0.51 -0.5,-0.51
GND on Back: 95.5,107.49 95.5,-2.51 -1.5,-2.51 -1.5,107.49
VBUS on Front: 19.7,54 20.7,55 22.7,55 24.7,53 24.7,47 22.7,45 12.7,45 10.7,47 10.7,52 12.7,54
VBUS on Front: 66.1,97.09 77.75,104.24 89.5,97.49 89.3,83.79 77.7,77.09 66.1,83.69
VBUS on Front: 5.2,97.09 16.75,103.99 28.5,97.24 28.2,83.89 16.7,77.19 5.2,83.79
VBUS on Front: 35.2,97.19 46.7,103.99 58.5,97.24 58.2,83.89 46.71,76.99 35.2,83.89

## Text on the board
B.Silkscreen: (C) John 'Warthog9' Hawley / 2024 / Licensed: CC-BY-SA 4.0 / Galaxy Sparkles v1.1 / https://github.com/unreproducible/galaxy_sparkles
F.Silkscreen: SWCLK / / PA14 / / boot0 | ~3.3V | 1-13 | 1-8 | 1-14 | 1-7 | 1-15 | 1-6 | 1-16 | 1-5 | 1-4 | 1-17 | 1-3 | 1-18 | 1-2 | 1-19 | 1-1 | 1-20 | 2-13 | 2-8 | 2-14 | 2-7 | 2-15 | 2-6 | 2-5 | 2-16 | 2-17 | 2-4 | 2-3 | 2-18 | 2-2 | 2-19 | 2-1 | 2-20 | 3-13 | 3-8 | 3-14 | 3-7 | 3-15 | 3-6 | 3-5 | 3-16 | 3-4 | 3-17 | 3-3 | 3-18 | 3-2 | 3-19 | 3-1 | 3-20 | 1-12 | 1-11 | 1-10 | 1-9 | 2-12 | 2-11 | 2-10 | 2-9 | 3-12 | 3-11 | 3-10 | 3-9 | 1-21 | 1-22 | 1-23 | 1-24 | 2-21 | 2-22 | 2-23 | 2-24 | 3-21 | 3-22 | 3-23 | 3-24 | 5V / + -o)- - | boot0 | RX | TX | VBUS / 5V | 1.5V | GND | PA0 | PA1 | LEDS_MOSI1 | PA3 | LEDS_MOSI2 | PA5 | PA6 | PA7 | PA8 | x | SWDIO | SWCLK | PA15 | PB9 | PB10 | PB11 | STM_LED | PB13 | PB14 | PB15 | OFF / ON | Reset | 3.3V | 3.0V | PF0 | PF1 | NRST | PD0 | PD1 | PD2 | PD3 | PC6 | PC7 | PC13 | PB0 | PB1 | PB2 | PB3 | PB4 | LEDS_MOSI3 | PB6 | PB7 | PB8 | UART_TX | PRE / MOSI1 | PRE / MOSI2 | PRE / MOSI3 | STLINK-V3 | FTDI (Expected) | FTDI (Reversed) | Galaxy / Sparkles
